# KiCad board enclosurefinal01.kicad_pcb
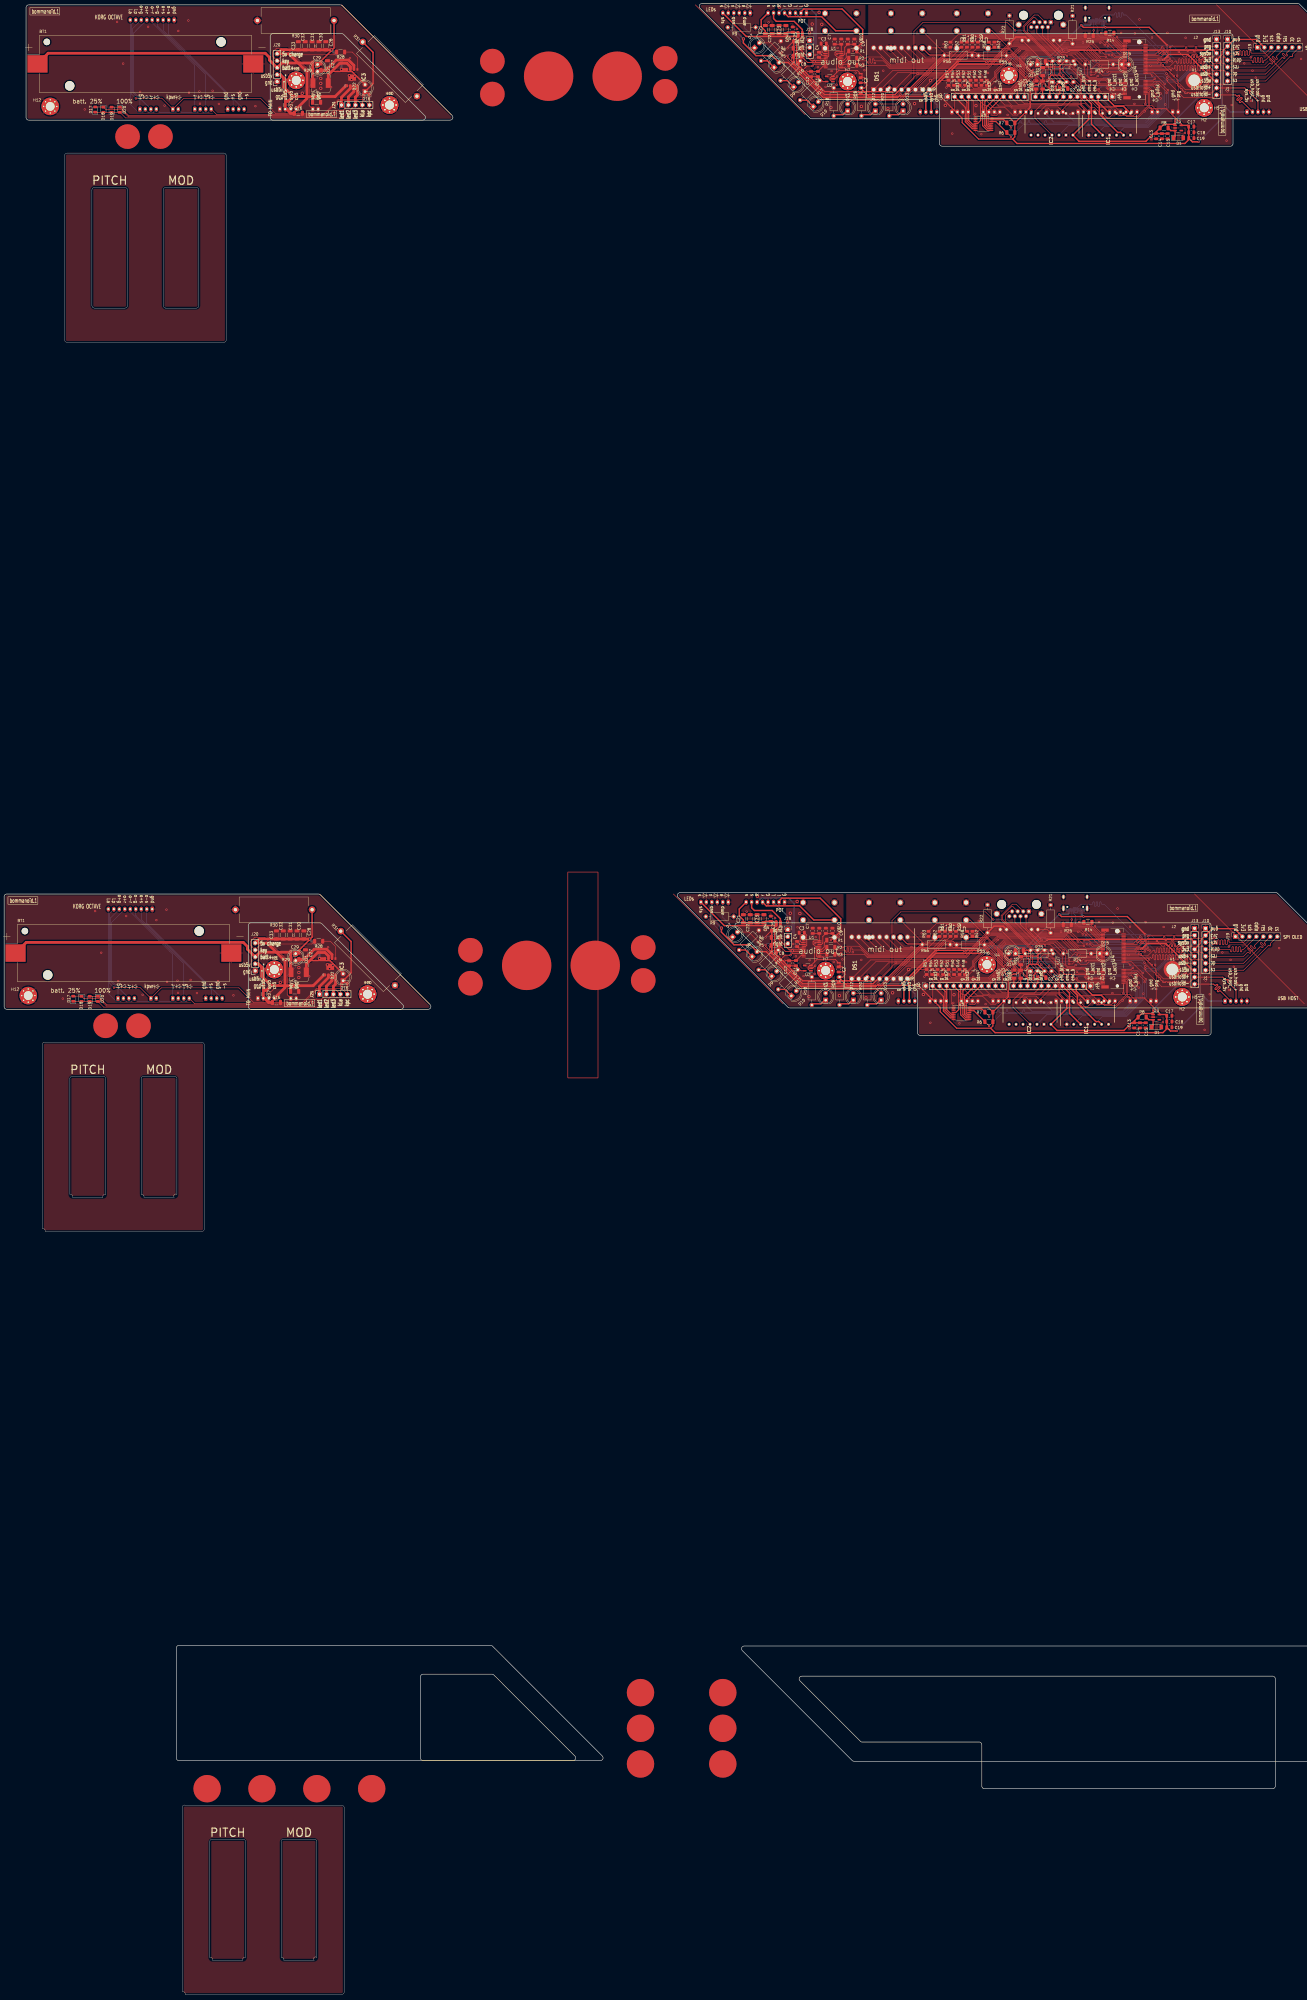
[diagram p0: board, top side]
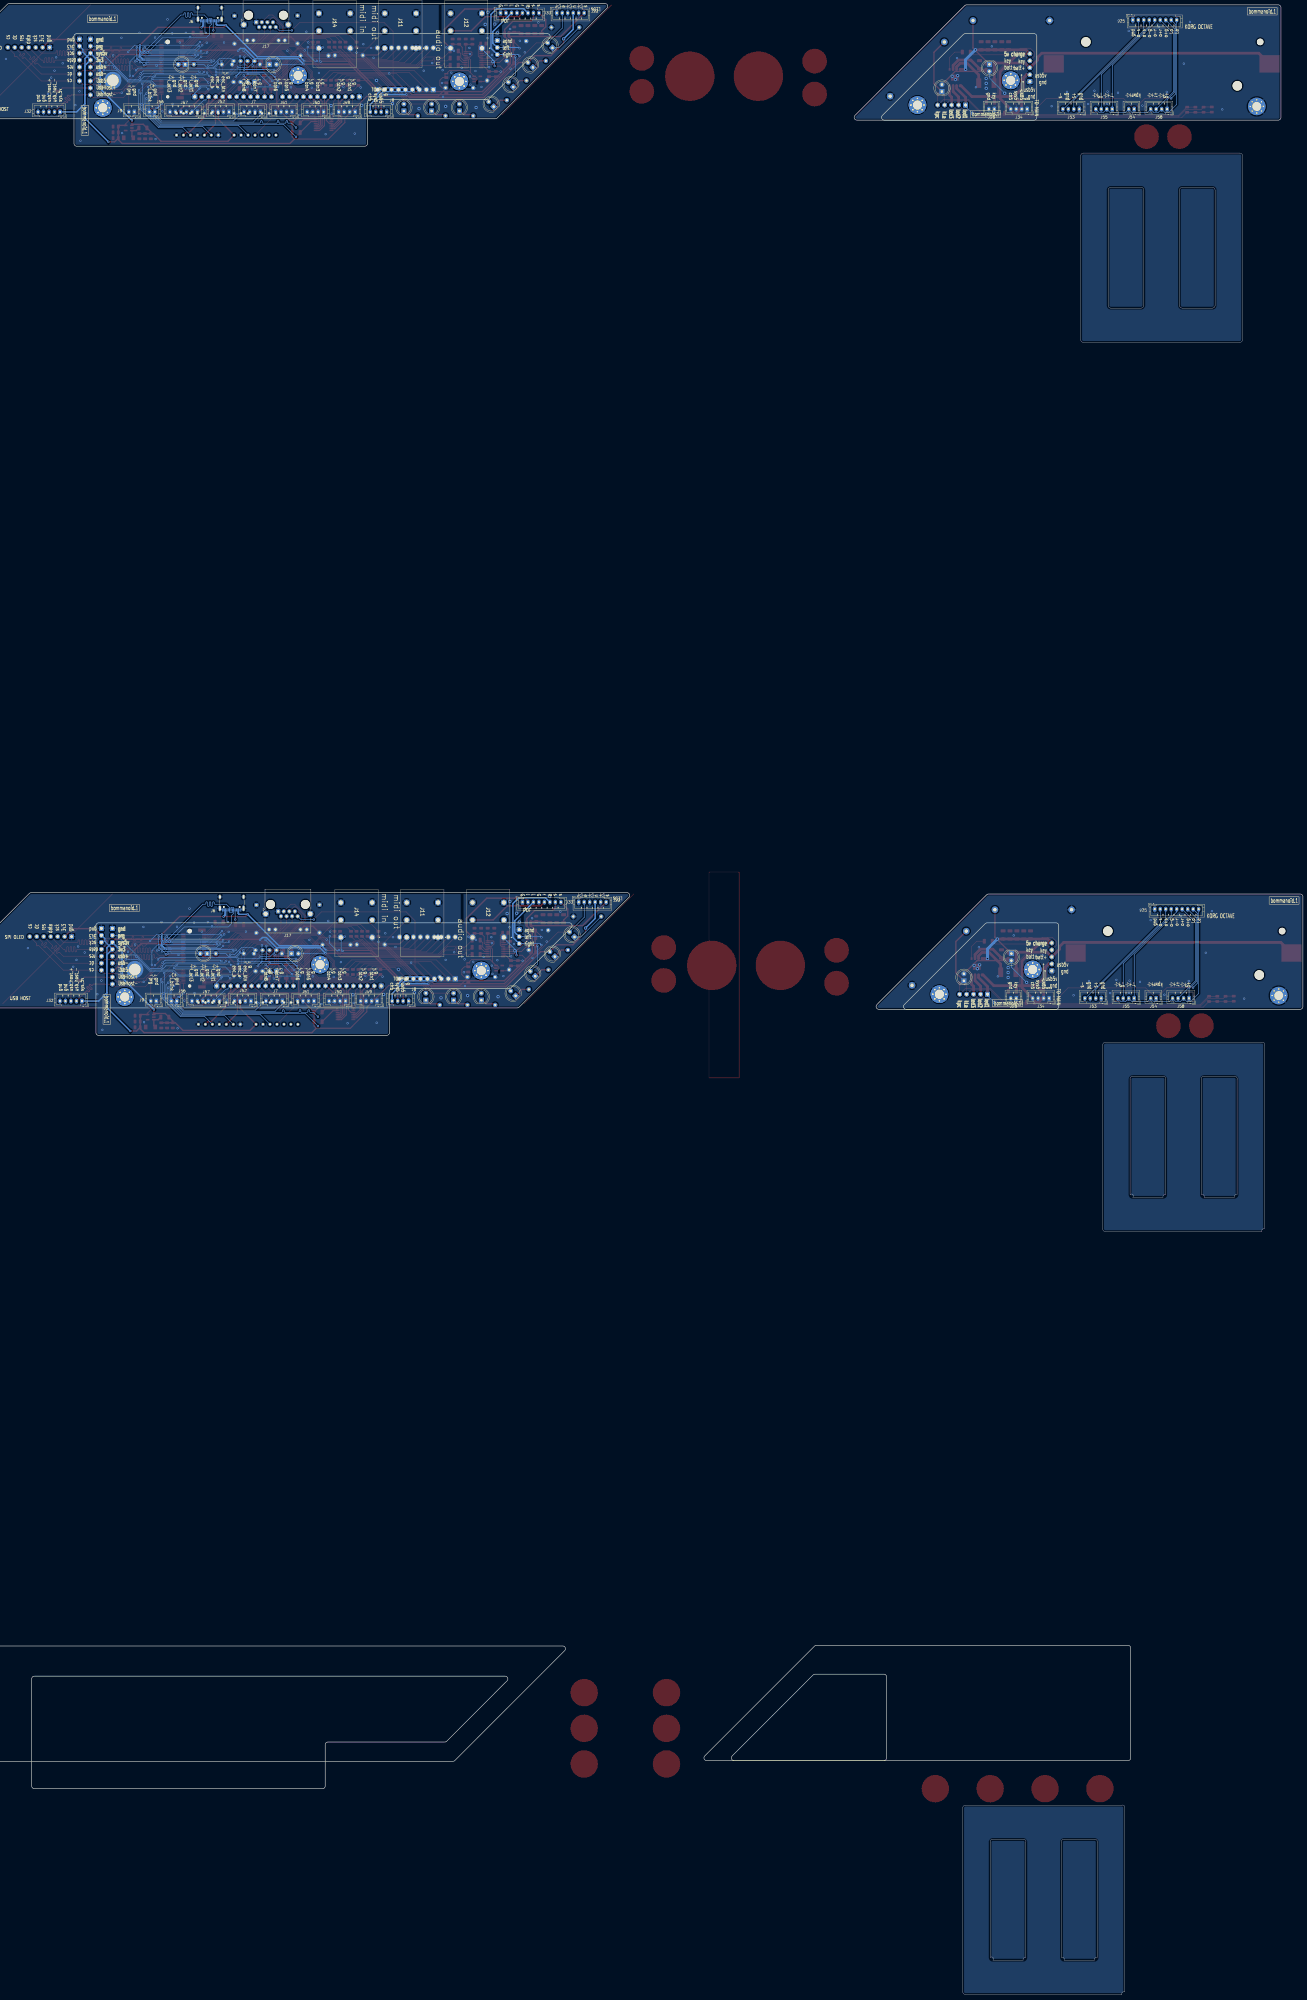
[diagram p1: board, bottom side, seen from below]

Outline 528 x 725.5 mm; copper layers: Top, Bottom. Coordinates in mm from the lower left corner of the outline.
Outline path: 246.41,401.5 245.49,400.88 245.71,399.79 285.71,359.79 286.03,359.58 286.41,359.5 503.59,359.5 504.51,360.12 504.29,361.21 464.29,401.21 463.97,401.42 463.59,401.5 closed ; 254.41,725.5 253.49,724.88 253.71,723.79 293.71,683.79 294.03,683.58 294.41,683.5 511.59,683.5 512.51,684.12 512.29,685.21 472.29,725.21 471.97,725.42 471.59,725.5 closed ; 269.83,127 268.91,126.38 269.12,125.29 309.12,85.29 309.45,85.08 309.83,85 527,85 527.93,85.62 527.71,86.71 487.71,126.71 487.39,126.92 487,127 closed ; 89,360 89.29,359.29 90,359 144.59,359 145.51,359.62 145.29,360.71 115.79,390.21 115.47,390.42 115.09,390.5 90,390.5 89.29,390.21 89,389.5 closed ; 97,684 97.29,683.29 98,683 152.59,683 153.51,683.62 153.29,684.71 123.79,714.21 123.47,714.42 123.09,714.5 98,714.5 97.29,714.21 97,713.5 closed ; 115.29,400.71 114.97,400.92 114.59,401 1,401 0.29,400.71 0,400 0,360 0.29,359.29 1,359 154.59,359 155.51,359.62 155.29,360.71 closed ; 123.29,724.71 122.97,724.92 122.59,725 9,725 8.29,724.71 8,724 8,684 8.29,683.29 9,683 162.59,683 163.51,683.62 163.29,684.71 closed ; 151.76,86.23 152.05,85.52 152.76,85.23 207.35,85.23 208.27,85.84 208.05,86.93 178.55,116.43 178.23,116.65 177.85,116.73 152.76,116.73 152.05,116.43 151.76,115.73 closed ; 178.05,126.93 177.73,127.15 177.35,127.23 63.76,127.23 63.05,126.93 62.76,126.23 62.76,86.23 63.05,85.52 63.76,85.23 217.35,85.23 218.27,85.84 218.05,86.93 closed ; 289.41,366.5 289.03,366.58 288.71,366.79 266.71,388.79 266.49,389.88 267.41,390.5 439,390.5 439.71,390.21 440,389.5 440,350.5 439.71,349.79 439,349.5 334,349.5 333.29,349.79 333,350.5 333,365.5 332.71,366.21 332,366.5 closed ; 297.41,690.5 297.03,690.58 296.71,690.79 274.71,712.79 274.49,713.88 275.41,714.5 447,714.5 447.71,714.21 448,713.5 448,674.5 447.71,673.79 447,673.5 342,673.5 341.29,673.79 341,674.5 341,689.5 340.71,690.21 340,690.5 closed ; 312.83,92 312.45,92.08 312.12,92.29 290.12,114.29 289.91,115.38 290.83,116 462.42,116 463.12,115.71 463.42,115 463.42,76 463.12,75.29 462.42,75 357.42,75 356.71,75.29 356.42,76 356.42,91 356.12,91.71 355.42,92 closed ; 14,346 arc(14.19,346.81) 15,347 72,347 arc(72.71,346.71) 73,346 73,279 arc(72.71,278.29) 72,278 15,278 arc(14.8,278.8) 14,279 14,346 ; 22,670 arc(22.29,670.71) 23,671 80,671 arc(80.71,670.71) 81,670 81,603 arc(80.71,602.29) 80,602 23,602 arc(22.29,602.29) 22,603 22,670 ; 24,333.5 arc(24.19,334.31) 25,334.5 36,334.5 arc(36.81,334.31) 37,333.5 37,291.5 arc(36.18,291.32) 36,290.5 25,290.5 arc(24.8,291.3) 24,291.5 24,333.5 ; 32,657.5 arc(32.29,658.21) 33,658.5 44,658.5 arc(44.71,658.21) 45,657.5 45,615.5 arc(44.71,614.79) 44,614.5 33,614.5 arc(32.29,614.79) 32,615.5 32,657.5 ; 50,333.5 arc(50.19,334.31) 51,334.5 62,334.5 arc(62.78,334.28) 63,333.5 63,291.5 arc(62.01,291.49) 62,290.5 51,290.5 arc(50.79,291.29) 50,291.5 50,333.5 ; 58,657.5 arc(58.29,658.21) 59,658.5 70,658.5 arc(70.71,658.21) 71,657.5 71,615.5 arc(70.71,614.79) 70,614.5 59,614.5 arc(58.29,614.79) 58,615.5 58,657.5 ; 65,68 arc(65.19,68.81) 66,69 123,69 arc(123.71,68.71) 124,68 124,1 arc(123.71,0.29) 123,0 66,0 arc(65.8,0.8) 65,1 65,68 ; 75,55.5 arc(75.19,56.31) 76,56.5 87,56.5 arc(87.81,56.31) 88,55.5 88,13.5 arc(87.18,13.32) 87,12.5 76,12.5 arc(75.8,13.3) 75,13.5 75,55.5 ; 101,55.5 arc(101.19,56.31) 102,56.5 113,56.5 arc(113.78,56.28) 114,55.5 114,13.5 arc(113.01,13.49) 113,12.5 102,12.5 arc(101.79,13.29) 101,13.5 101,55.5
Stack: Top 0.035mm / dielectric 1.51mm FR4 er 4.5 / Bottom 0.035mm

## Placement (name value [footprint] x y rotation side)
BT1  Battery_Cell  [BatteryHolder_Keystone_1042_1x18650]  51.5 703.5 0 top
BT1#2  Battery_Cell  [BatteryHolder_Keystone_1042_1x18650]  43.5 379.5 0 top
C1  10uF  [C_0805_2012Metric]  312.26 693.75 270 top
C1#2  10uF  [C_0805_2012Metric]  304.26 369.75 270 top
C2  0.1uF  [C_0805_2012Metric]  304.26 373.55 270 top
C2#2  0.1uF  [C_0805_2012Metric]  312.26 697.55 270 top
C3  2.2uF  [C_0805_2012Metric]  298.78 710.9 0 top
C3#2  2.2uF  [C_0805_2012Metric]  290.78 386.9 0 top
C4  2.2uF  [C_0805_2012Metric]  297.08 706.8 90 top
C4#2  2.2uF  [C_0805_2012Metric]  289.08 382.8 90 top
C5  2.2uF  [C_0805_2012Metric]  288.68 711.7 0 top
C5#2  2.2uF  [C_0805_2012Metric]  280.68 387.7 0 top
C6  10uF  [C_0805_2012Metric]  307.58 711.6 90 top
C6#2  10uF  [C_0805_2012Metric]  299.58 387.6 90 top
C7  10uF  [C_0805_2012Metric]  294.78 387.6 270 top
C7#2  10uF  [C_0805_2012Metric]  302.78 711.6 270 top
C8  2.2uF  [C_0805_2012Metric]  280.63 379.8 0 top
C8#2  2.2uF  [C_0805_2012Metric]  288.63 703.8 0 top
C9  0.1uF  [C_0805_2012Metric]  301.98 387.6 90 top
C9#2  0.1uF  [C_0805_2012Metric]  309.98 711.6 90 top
C10  0.1uF  [C_0805_2012Metric]  305.18 711.6 270 top
C10#2  0.1uF  [C_0805_2012Metric]  297.18 387.6 270 top
C11  10uF  [C_0805_2012Metric]  296.68 699.8 90 top
C11#2  10uF  [C_0805_2012Metric]  288.68 375.8 90 top
C12  0.1uF  [C_0805_2012Metric]  286.18 375.8 90 top
C12#2  0.1uF  [C_0805_2012Metric]  294.18 699.8 90 top
C13  10uF  [C_0805_2012Metric]  411.98 353.15 270 top
C13#2  10uF  [C_0805_2012Metric]  419.98 677.15 270 top
C14  0.22uF  [C_0805_2012Metric]  422.08 677.15 270 top
C14#2  0.22uF  [C_0805_2012Metric]  414.08 353.15 270 top
C15  0.1uF  [C_0805_2012Metric]  424.18 677.15 270 top
C15#2  0.1uF  [C_0805_2012Metric]  416.18 353.15 270 top
C16  10uF  [C_1206_3216Metric]  107.28 685.5 0 top
C16#2  10uF  [C_1206_3216Metric]  99.28 361.5 0 top
C17  1uF  [C_0805_2012Metric]  424.79 356.65 0 top
C17#2  1uF  [C_0805_2012Metric]  432.79 680.65 0 top
C18  0.22uF  [C_0805_2012Metric]  432.79 678.55 0 top
C18#2  0.22uF  [C_0805_2012Metric]  424.79 354.55 0 top
C19  0.1uF  [C_0805_2012Metric]  424.79 352.45 0 top
C19#2  0.1uF  [C_0805_2012Metric]  432.79 676.45 0 top
C20  0.1uF  [C_1206_3216Metric]  370.1 380.4 180 top
C20#2  0.1uF  [C_1206_3216Metric]  378.1 704.4 180 top
C21  22uF  [C_1206_3216Metric]  277.5 716 90 top
C21#2  22uF  [C_1206_3216Metric]  269.5 392 90 top
C22  22uF  [C_1206_3216Metric]  272 392 90 top
C22#2  22uF  [C_1206_3216Metric]  280 716 90 top
C23  22uF  [C_1206_3216Metric]  274.5 392 90 top
C23#2  22uF  [C_1206_3216Metric]  282.5 716 90 top
C24  22uF  [C_1206_3216Metric]  277 392 90 top
C24#2  22uF  [C_1206_3216Metric]  285 716 90 top
C25  0.1uF  [C_0805_2012Metric]  279.5 392 90 top
C25#2  0.1uF  [C_0805_2012Metric]  287.5 716 90 top
C26  10uF  [C_1206_3216Metric]  113.9 689.5 0 top
C26#2  10uF  [C_1206_3216Metric]  105.9 365.5 0 top
C27  22uF  [C_1206_3216Metric]  117.88 703.2 90 top
C27#2  22uF  [C_1206_3216Metric]  109.88 379.2 90 top
C28  22uF  [C_1206_3216Metric]  117.28 710.1 90 top
C28#2  22uF  [C_1206_3216Metric]  109.28 386.1 90 top
C29  22uF  [C_1206_3216Metric]  113.98 703.8 0 top
C29#2  22uF  [C_1206_3216Metric]  105.98 379.8 0 top
C30  22uF  [C_1206_3216Metric]  106.78 386.1 90 top
C30#2  22uF  [C_1206_3216Metric]  114.78 710.1 90 top
C31  22uF  [C_1206_3216Metric]  104.28 386.1 90 top
C31#2  22uF  [C_1206_3216Metric]  112.28 710.1 90 top
C32  22uF  [C_1206_3216Metric]  101.78 386.1 90 top
C32#2  22uF  [C_1206_3216Metric]  109.78 710.1 90 top
C33  0.1uF  [C_1206_3216Metric]  99.28 386.1 90 top
C33#2  0.1uF  [C_1206_3216Metric]  107.28 710.1 90 top
D1  3.3v  [D_MiniMELF]  428.11 676.55 0 top
D1#2  3.3v  [D_MiniMELF]  420.11 352.55 0 top
D2  1N4148WS  [D_SOD-323]  382.3 694.5 180 top
D2#2  1N4148WS  [D_SOD-323]  374.3 370.5 180 top
D7  LED  [LED_D5.0mm_withbottomtext]  273.56 709.35 45 top
D7#2  LED  [LED_D5.0mm_withbottomtext]  265.56 385.35 45 top
D8  LED  [LED_D5.0mm_withbottomtext]  272.7 378.2 45 top
D8#2  LED  [LED_D5.0mm_withbottomtext]  280.7 702.2 45 top
D9  LED  [LED_D5.0mm_withbottomtext]  287.85 695.06 45 top
D9#2  LED  [LED_D5.0mm_withbottomtext]  279.85 371.06 45 top
D10  LED  [LED_D5.0mm_withbottomtext]  295 687.91 45 top
D10#2  LED  [LED_D5.0mm_withbottomtext]  287 363.91 45 top
D11  LED  [LED_D5.0mm_withbottomtext]  299.5 362.34 90 top
D11#2  LED  [LED_D5.0mm_withbottomtext]  307.5 686.34 90 top
D12  LED  [LED_D5.0mm_withbottomtext]  309.61 362.34 90 top
D12#2  LED  [LED_D5.0mm_withbottomtext]  317.61 686.34 90 top
D13  LED  [LED_D5.0mm_withbottomtext]  327.72 686.34 90 top
D13#2  LED  [LED_D5.0mm_withbottomtext]  319.72 362.34 90 top
D14  LED  [LED_D5.0mm_withbottomtext]  376.72 703.3 180 top
D14#2  LED  [LED_D5.0mm_withbottomtext]  368.72 379.3 180 top
D15  LED  [LED_D5.0mm_withbottomtext]  399.45 379.3 0 top
D15#2  LED  [LED_D5.0mm_withbottomtext]  407.45 703.3 0 top
D16  korgpwr  [LED_0805_2012Metric]  132.08 692.4 180 top
D16#2  korgpwr  [LED_0805_2012Metric]  124.08 368.4 180 top
D17  25%  [LED_0805_2012Metric]  25.2 362.86 90 top
D17#2  25%  [LED_0805_2012Metric]  33.2 686.86 90 top
D18  50%  [LED_0805_2012Metric]  28.2 362.8 270 top
D18#2  50%  [LED_0805_2012Metric]  36.2 686.8 270 top
D19  75%  [LED_0805_2012Metric]  31.2 362.8 90 top
D19#2  75%  [LED_0805_2012Metric]  39.2 686.8 90 top
D20  100%  [LED_0805_2012Metric]  34.2 362.8 270 top
D20#2  100%  [LED_0805_2012Metric]  42.2 686.8 270 top
D21  LED  [LED_D5.0mm_withbottomtext]  114.28 703.3 270 top
D21#2  LED  [LED_D5.0mm_withbottomtext]  106.28 379.3 270 top
D22  LED  [LED_D5.0mm_withbottomtext]  123.58 369.4 90 top
D22#2  LED  [LED_D5.0mm_withbottomtext]  131.58 693.4 90 top
DS1  PDC54-11GWA  [DIPS1524W75P254L2520H805Q18N]  309 370.1 90 top
DS1#2  PDC54-11GWA  [DIPS1524W75P254L2520H805Q18N]  317 694.1 90 top
H1  M.2 riser 2.5mm  [Sinhoo SMTSO2530CTJ]  425.84 373.5 0 top
H1#2  M.2 riser 2.5mm  [Sinhoo SMTSO2530CTJ]  433.84 697.5 0 top
H2  MountingHole_Pad  [MountingHole_3.2mm_M3_Pad_Via]  429.5 363.5 0 top
H2#2  MountingHole_Pad  [MountingHole_3.2mm_M3_Pad_Via]  437.5 687.5 0 top
H3  MountingHole_Pad  [MountingHole_3.2mm_M3_Pad_Via]  299.5 373.1 0 top
H3#2  MountingHole_Pad  [MountingHole_3.2mm_M3_Pad_Via]  307.5 697.1 0 top
H4  MountingHole_Pad  [MountingHole_3.2mm_M3_Pad_Via]  366.3 699.3 0 top
H4#2  MountingHole_Pad  [MountingHole_3.2mm_M3_Pad_Via]  358.3 375.3 0 top
H5  MountingHole_Pad  [MountingHole_3.2mm_M3_Pad_Via]  429.5 363.5 0 top
H5#2  MountingHole_Pad  [MountingHole_3.2mm_M3_Pad_Via]  437.5 687.5 0 top
H6  MountingHole_Pad  [MountingHole_3.2mm_M3_Pad_Via]  366.3 699.3 0 top
H6#2  MountingHole_Pad  [MountingHole_3.2mm_M3_Pad_Via]  358.3 375.3 0 top
H7  MountingHole_Pad  [MountingHole_3.2mm_M3_Pad_Via]  307.5 697.1 0 top
H7#2  MountingHole_Pad  [MountingHole_3.2mm_M3_Pad_Via]  299.5 373.1 0 top
H8  MountingHole_Pad  [MountingHole_3.2mm_M3_Pad_Via]  106.5 697.5 0 top
H8#2  MountingHole_Pad  [MountingHole_3.2mm_M3_Pad_Via]  98.5 373.5 0 top
H9  MountingHole_Pad  [MountingHole_3.2mm_M3_Pad_Via]  132.5 364.5 0 top
H9#2  MountingHole_Pad  [MountingHole_3.2mm_M3_Pad_Via]  140.5 688.5 0 top
H10  MountingHole_Pad  [MountingHole_3.2mm_M3_Pad_Via]  140.5 688.5 0 top
H10#2  MountingHole_Pad  [MountingHole_3.2mm_M3_Pad_Via]  132.5 364.5 0 top
H11  MountingHole_Pad  [MountingHole_3.2mm_M3_Pad_Via]  98.5 373.5 0 top
H11#2  MountingHole_Pad  [MountingHole_3.2mm_M3_Pad_Via]  106.5 697.5 0 top
H12  MountingHole_Pad  [MountingHole_3.2mm_M3_Pad_Via]  8.8 364 0 top
H12#2  MountingHole_Pad  [MountingHole_3.2mm_M3_Pad_Via]  16.8 688 0 top
IC1  SN74AHCT125N  [DIP794W53P254L1930H508Q14N]  403 681.5 90 top
IC1#2  SN74AHCT125N  [DIP794W53P254L1930H508Q14N]  395 357.5 90 top
IC2  SN74AHCT125N  [DIP794W53P254L1930H508Q14N]  374 357.5 270 top
IC2#2  SN74AHCT125N  [DIP794W53P254L1930H508Q14N]  382 681.5 270 top
IC3  Injoinic IP5306 battery charge  [SOIC127P599X155-9N (IP5306)]  118.88 374.5 90 top
IC3#2  Injoinic IP5306 battery charge  [SOIC127P599X155-9N (IP5306)]  126.88 698.5 90 top
J1  Conn_01x07  [PinHeader_1x07_P2.54mm_Vertical]  446 712.5 0 top
J1#2  Conn_01x07  [PinHeader_1x07_P2.54mm_Vertical]  438 388.5 0 top
J2  Conn_01x09  [PinHeader_1x09_P2.54mm_Vertical]  434 388.5 0 top
J2#2  Conn_01x09  [PinHeader_1x09_P2.54mm_Vertical]  442 712.5 0 top
J3  Conn_01x12  [PinHeader_1x12_P2.54mm_Vertical]  395.94 367.5 270 top
J3#2  Conn_01x12  [PinHeader_1x12_P2.54mm_Vertical]  403.94 691.5 270 top
J4  Conn_01x12  [PinHeader_1x12_P2.54mm_Vertical]  336.03 367.5 90 top
J4#2  Conn_01x12  [PinHeader_1x12_P2.54mm_Vertical]  344.03 691.5 90 top
J5  Conn_01x03  [PinHeader_1x03_P2.54mm_Vertical]  293.7 712 0 top
J5#2  Conn_01x03  [PinHeader_1x03_P2.54mm_Vertical]  285.7 388 0 top
J6  XKB_U262-16XN-4BVC11 USB-C recept  [USB_C_Receptacle_XKB_U262-16XN-4BVC11]  390.5 398.9 0 bottom
J6#2  XKB_U262-16XN-4BVC11 USB-C recept  [USB_C_Receptacle_XKB_U262-16XN-4BVC11]  398.5 722.9 0 bottom
J7  Conn_01x04  [JST_PH_B4B-PH-K_1x04_P2.00mm_Vertical]  380 686 0 bottom
J7#2  Conn_01x04  [JST_PH_B4B-PH-K_1x04_P2.00mm_Vertical]  372 362 0 bottom
J8  Conn_01x04  [JST_PH_B4B-PH-K_1x04_P2.00mm_Vertical]  326 362 0 bottom
J8#2  Conn_01x04  [JST_PH_B4B-PH-K_1x04_P2.00mm_Vertical]  334 686 0 bottom
J9  Conn_01x02  [JST_PH_B2B-PH-K_1x02_P2.00mm_Vertical]  418 362 0 bottom
J9#2  Conn_01x02  [JST_PH_B2B-PH-K_1x02_P2.00mm_Vertical]  426 686 0 bottom
J10  Conn_01x07  [PinSocket_1x07_P2.54mm_Vertical]  446 712.5 0 top
J10#2  Conn_01x07  [PinSocket_1x07_P2.54mm_Vertical]  438 388.5 0 top
J11  Amphenol ACJS-MHOM  [ACJSMHOM]  315.29 385.2 90 bottom
J11#2  Amphenol ACJS-MHOM  [ACJSMHOM]  323.29 709.2 90 bottom
J12  Amphenol ACJS-MHOM  [ACJSMHOM]  299.29 709.2 90 bottom
J12#2  Amphenol ACJS-MHOM  [ACJSMHOM]  291.29 385.2 90 bottom
J13  Conn_01x09  [PinSocket_1x09_P2.54mm_Vertical]  442 712.5 0 top
J13#2  Conn_01x09  [PinSocket_1x09_P2.54mm_Vertical]  434 388.5 0 top
J14  Amphenol ACJS-MHOM  [ACJSMHOM]  339.29 385.2 90 bottom
J14#2  Amphenol ACJS-MHOM  [ACJSMHOM]  347.29 709.2 90 bottom
J15  Conn_01x12  [PinSocket_1x12_P2.54mm_Vertical]  403.94 691.5 270 top
J15#2  Conn_01x12  [PinSocket_1x12_P2.54mm_Vertical]  395.94 367.5 270 top
J16  Conn_01x12  [PinSocket_1x12_P2.54mm_Vertical]  344 691.5 90 top
J16#2  Conn_01x12  [PinSocket_1x12_P2.54mm_Vertical]  336 367.5 90 top
J17  RJ45_LED_Shielded  [RJ45_Amphenol_RJHSE538X]  381.56 718.68 180 bottom
J17#2  RJ45_LED_Shielded  [RJ45_Amphenol_RJHSE538X]  373.56 394.68 180 bottom
J18  Conn_01x03  [PinSocket_1x03_P2.54mm_Vertical]  293.7 712 0 top
J18#2  Conn_01x03  [PinSocket_1x03_P2.54mm_Vertical]  285.7 388 0 top
J19  Conn_01x07  [PinSocket_1x07_P2.54mm_Vertical]  456.88 709.5 90 top
J19#2  Conn_01x07  [PinSocket_1x07_P2.54mm_Vertical]  448.88 385.5 90 top
J20  Conn_01x05  [PinSocket_1x05_P2.54mm_Vertical]  99.53 697 180 top
J20#2  Conn_01x05  [PinSocket_1x05_P2.54mm_Vertical]  91.53 373 180 top
J21  Conn_01x05  [PinSocket_1x05_P2.54mm_Vertical]  122.96 688.5 90 top
J21#2  Conn_01x05  [PinSocket_1x05_P2.54mm_Vertical]  114.96 364.5 90 top
J22  Conn_01x06  [JST_PH_B6B-PH-K_1x06_P2.00mm_Vertical]  272 722.05 180 bottom
J22#2  Conn_01x06  [JST_PH_B6B-PH-K_1x06_P2.00mm_Vertical]  264 398.05 180 bottom
J23  Conn_01x05  [PinSocket_1x05_P2.54mm_Vertical]  99.53 697 180 top
J23#2  Conn_01x05  [PinSocket_1x05_P2.54mm_Vertical]  91.53 373 180 top
J24  Conn_01x05  [PinSocket_1x05_P2.54mm_Vertical]  114.96 364.5 90 top
J24#2  Conn_01x05  [PinSocket_1x05_P2.54mm_Vertical]  122.96 688.5 90 top
J25  Conn_01x09  [JST_PH_B9B-PH-K_1x09_P2.00mm_Vertical]  54 395.5 180 bottom
J25#2  Conn_01x09  [JST_PH_B9B-PH-K_1x09_P2.00mm_Vertical]  62 719.5 180 bottom
J26  Conn_01x02  [JST_PH_B2B-PH-K_1x02_P2.00mm_Vertical]  112.5 687 0 bottom
J26#2  Conn_01x02  [JST_PH_B2B-PH-K_1x02_P2.00mm_Vertical]  104.5 363 0 bottom
J32  USB_A  [JST_PH_B5B-PH-K_1x05_P2.00mm_Vertical]  453.1 686 0 bottom
J32#2  USB_A  [JST_PH_B5B-PH-K_1x05_P2.00mm_Vertical]  445.1 362 0 bottom
J33  Conn_01x08  [JST_PH_B8B-PH-K_1x08_P2.00mm_Vertical]  284.5 398.05 180 bottom
J33#2  Conn_01x08  [JST_PH_B8B-PH-K_1x08_P2.00mm_Vertical]  292.5 722.05 180 bottom
J34  Conn_01x04  [JST_PH_B4B-PH-K_1x04_P2.00mm_Vertical]  100.5 687 0 bottom
J34#2  Conn_01x04  [JST_PH_B4B-PH-K_1x04_P2.00mm_Vertical]  92.5 363 0 bottom
J49  Conn_01x04  [JST_PH_B4B-PH-K_1x04_P2.00mm_Vertical]  337.5 362 0 bottom
J49#2  Conn_01x04  [JST_PH_B4B-PH-K_1x04_P2.00mm_Vertical]  345.5 686 0 bottom
J50  Conn_01x04  [JST_PH_B4B-PH-K_1x04_P2.00mm_Vertical]  357 686 0 bottom
J50#2  Conn_01x04  [JST_PH_B4B-PH-K_1x04_P2.00mm_Vertical]  349 362 0 bottom
J51  Conn_01x04  [JST_PH_B4B-PH-K_1x04_P2.00mm_Vertical]  368.5 686 0 bottom
J51#2  Conn_01x04  [JST_PH_B4B-PH-K_1x04_P2.00mm_Vertical]  360.5 362 0 bottom
J52  Conn_01x04  [JST_PH_B4B-PH-K_1x04_P2.00mm_Vertical]  391.5 686 0 bottom
J52#2  Conn_01x04  [JST_PH_B4B-PH-K_1x04_P2.00mm_Vertical]  383.5 362 0 bottom
J53  Conn_01x04  [JST_PH_B4B-PH-K_1x04_P2.00mm_Vertical]  81.5 687 0 bottom
J53#2  Conn_01x04  [JST_PH_B4B-PH-K_1x04_P2.00mm_Vertical]  73.5 363 0 bottom
J54  Conn_01x02  [JST_PH_B2B-PH-K_1x02_P2.00mm_Vertical]  61.5 687 0 bottom
J54#2  Conn_01x02  [JST_PH_B2B-PH-K_1x02_P2.00mm_Vertical]  53.5 363 0 bottom
J55  Conn_01x04  [JST_PH_B4B-PH-K_1x04_P2.00mm_Vertical]  61.5 363 0 bottom
J55#2  Conn_01x04  [JST_PH_B4B-PH-K_1x04_P2.00mm_Vertical]  69.5 687 0 bottom
J56  Conn_01x02  [JST_PH_B2B-PH-K_1x02_P2.00mm_Vertical]  418.5 686 0 bottom
J56#2  Conn_01x02  [JST_PH_B2B-PH-K_1x02_P2.00mm_Vertical]  410.5 362 0 bottom
J57  Conn_01x06  [JST_PH_B6B-PH-K_1x06_P2.00mm_Vertical]  395 362 0 bottom
J57#2  Conn_01x06  [JST_PH_B6B-PH-K_1x06_P2.00mm_Vertical]  403 686 0 bottom
J58  Conn_01x04  [JST_PH_B4B-PH-K_1x04_P2.00mm_Vertical]  41.5 363 0 bottom
J58#2  Conn_01x04  [JST_PH_B4B-PH-K_1x04_P2.00mm_Vertical]  49.5 687 0 bottom
L1  1uH-psa  [Inductor_MCS0630-1R0MN2]  107.38 375.9 180 top
L1#2  1uH-psa  [Inductor_MCS0630-1R0MN2]  115.38 699.9 180 top
NT1  NetTie_2  [NetTie-2_SMD_Pad0.5mm]  312.26 699.93 180 top
NT1#2  NetTie_2  [NetTie-2_SMD_Pad0.5mm]  304.26 375.93 180 top
NT4  NetTie_2  [NetTie-2_SMD_Pad1.0mm]  283 390.65 270 top
NT4#2  NetTie_2  [NetTie-2_SMD_Pad1.0mm]  291 714.65 270 top
NT5  NetTie_2  [NetTie-2_SMD_Pad1.0mm]  289.5 714.65 270 top
NT5#2  NetTie_2  [NetTie-2_SMD_Pad1.0mm]  281.5 390.65 270 top
R1  22R  [R_1206_3216Metric]  309.38 708.2 180 top
R1#2  22R  [R_1206_3216Metric]  301.38 384.2 180 top
R2  22R  [R_1206_3216Metric]  309.38 705.6 180 top
R2#2  22R  [R_1206_3216Metric]  301.38 381.6 180 top
R3  22R  [R_1206_3216Metric]  309.38 703 180 top
R3#2  22R  [R_1206_3216Metric]  301.38 379 180 top
R4  470R  [R_1206_3216Metric]  281.13 385.2 180 top
R4#2  470R  [R_1206_3216Metric]  289.13 709.2 180 top
R5  470R  [R_1206_3216Metric]  281.13 382.3 180 top
R5#2  470R  [R_1206_3216Metric]  289.13 706.3 180 top
R6  4.7k  [R_1206_3216Metric]  359 354.5 0 top
R6#2  4.7k  [R_1206_3216Metric]  367 678.5 0 top
R7  4.7k  [R_1206_3216Metric]  359 358 0 top
R7#2  4.7k  [R_1206_3216Metric]  367 682 0 top
R8  100k  [R_1206_3216Metric]  414.88 356.15 180 top
R8#2  100k  [R_1206_3216Metric]  422.88 680.15 180 top
R9  R  [R_Axial_DIN0207_L6.3mm_D2.5mm_P10.16mm_Horizontal]  255.8 392.8 0 top
R9#2  R  [R_Axial_DIN0207_L6.3mm_D2.5mm_P10.16mm_Horizontal]  263.8 716.8 0 top
R10  220R  [R_1206_3216Metric]  378.3 370.5 0 top
R10#2  220R  [R_1206_3216Metric]  386.3 694.5 0 top
R11  470R  [R_1206_3216Metric]  378.6 700.7 90 top
R11#2  470R  [R_1206_3216Metric]  370.6 376.7 90 top
R12  47R  [R_1206_3216Metric]  370.6 371.8 90 top
R12#2  47R  [R_1206_3216Metric]  378.6 695.8 90 top
R13  47R  [R_1206_3216Metric]  368.1 371.8 90 top
R13#2  47R  [R_1206_3216Metric]  376.1 695.8 90 top
R14  5.1k  [R_1206_3216Metric]  403.1 714.7 180 top
R14#2  5.1k  [R_1206_3216Metric]  395.1 390.7 180 top
R15  R  [R_Axial_DIN0207_L6.3mm_D2.5mm_P10.16mm_Horizontal]  267.96 380.61 45 top
R15#2  R  [R_Axial_DIN0207_L6.3mm_D2.5mm_P10.16mm_Horizontal]  275.96 704.61 45 top
R16  R  [R_Axial_DIN0207_L6.3mm_D2.5mm_P10.16mm_Horizontal]  283.05 697.4 45 top
R16#2  R  [R_Axial_DIN0207_L6.3mm_D2.5mm_P10.16mm_Horizontal]  275.05 373.4 45 top
R17  R  [R_Axial_DIN0207_L6.3mm_D2.5mm_P10.16mm_Horizontal]  282.2 366.25 45 top
R17#2  R  [R_Axial_DIN0207_L6.3mm_D2.5mm_P10.16mm_Horizontal]  290.2 690.25 45 top
R18  R  [R_Axial_DIN0207_L6.3mm_D2.5mm_P10.16mm_Horizontal]  294.45 360.6 90 top
R18#2  R  [R_Axial_DIN0207_L6.3mm_D2.5mm_P10.16mm_Horizontal]  302.45 684.6 90 top
R19  R  [R_Axial_DIN0207_L6.3mm_D2.5mm_P10.16mm_Horizontal]  312.55 684.6 90 top
R19#2  R  [R_Axial_DIN0207_L6.3mm_D2.5mm_P10.16mm_Horizontal]  304.55 360.6 90 top
R20  R  [R_Axial_DIN0207_L6.3mm_D2.5mm_P10.16mm_Horizontal]  322.66 684.6 90 top
R20#2  R  [R_Axial_DIN0207_L6.3mm_D2.5mm_P10.16mm_Horizontal]  314.66 360.6 90 top
R21  R  [R_Axial_DIN0207_L6.3mm_D2.5mm_P10.16mm_Horizontal]  381.5 397 270 top
R21#2  R  [R_Axial_DIN0207_L6.3mm_D2.5mm_P10.16mm_Horizontal]  389.5 721 270 top
R22  R  [R_Axial_DIN0207_L6.3mm_D2.5mm_P10.16mm_Horizontal]  366.5 721.08 270 top
R22#2  R  [R_Axial_DIN0207_L6.3mm_D2.5mm_P10.16mm_Horizontal]  358.5 397.08 270 top
R23  R  [R_Axial_DIN0207_L6.3mm_D2.5mm_P10.16mm_Horizontal]  380.22 703.3 0 top
R23#2  R  [R_Axial_DIN0207_L6.3mm_D2.5mm_P10.16mm_Horizontal]  372.22 379.3 0 top
R24  R  [R_Axial_DIN0207_L6.3mm_D2.5mm_P10.16mm_Horizontal]  396.3 379.3 180 top
R24#2  R  [R_Axial_DIN0207_L6.3mm_D2.5mm_P10.16mm_Horizontal]  404.3 703.3 180 top
R25  5.1k  [R_1206_3216Metric]  387.6 389.8 0 top
R25#2  5.1k  [R_1206_3216Metric]  395.6 713.8 0 top
R27  2R  [R_1206_3216Metric]  102.88 688.5 270 top
R27#2  2R  [R_1206_3216Metric]  94.88 364.5 270 top
R28  10k  [R_1206_3216Metric]  122.68 707.8 180 top
R28#2  10k  [R_1206_3216Metric]  114.68 383.8 180 top
R29  0.5R  [R_1206_3216Metric]  113.98 701.2 0 top
R29#2  0.5R  [R_1206_3216Metric]  105.98 377.2 0 top
R30  R  [R_Axial_Power_L25.0mm_W9.0mm_P27.94mm]  120.27 719.3 180 top
R30#2  R  [R_Axial_Power_L25.0mm_W9.0mm_P27.94mm]  112.27 395.3 180 top
R31  R  [R_Axial_Power_L25.0mm_W9.0mm_P27.94mm]  130.72 711.48 315 top
R31#2  R  [R_Axial_Power_L25.0mm_W9.0mm_P27.94mm]  122.72 387.48 315 top
R47  220  [R_0805_2012Metric]  353 386.5 270 top
R47#2  220  [R_0805_2012Metric]  361 710.5 270 top
R48  220  [R_0805_2012Metric]  350.3 372.6 90 top
R48#2  220  [R_0805_2012Metric]  358.3 696.6 90 top
R49  220  [R_0805_2012Metric]  348.3 372.6 90 top
R49#2  220  [R_0805_2012Metric]  356.3 696.6 90 top
R50  220  [R_0805_2012Metric]  354.3 696.6 90 top
R50#2  220  [R_0805_2012Metric]  346.3 372.6 90 top
R51  220  [R_0805_2012Metric]  352.3 696.6 90 top
R51#2  220  [R_0805_2012Metric]  344.3 372.6 90 top
R52  220  [R_0805_2012Metric]  350.3 696.6 90 top
R52#2  220  [R_0805_2012Metric]  342.3 372.6 90 top
R53  220  [R_0805_2012Metric]  340.3 372.6 90 top
R53#2  220  [R_0805_2012Metric]  348.3 696.6 90 top
R54  220  [R_0805_2012Metric]  338.3 372.6 90 top
R54#2  220  [R_0805_2012Metric]  346.3 696.6 90 top
R55  R  [R_Axial_DIN0207_L6.3mm_D2.5mm_P10.16mm_Horizontal]  355.22 706.5 0 top
R55#2  R  [R_Axial_DIN0207_L6.3mm_D2.5mm_P10.16mm_Horizontal]  347.22 382.5 0 top
R56  R  [R_Axial_DIN0207_L6.3mm_D2.5mm_P10.16mm_Horizontal]  334.72 382.6 0 top
R56#2  R  [R_Axial_DIN0207_L6.3mm_D2.5mm_P10.16mm_Horizontal]  342.72 706.6 0 top
R57  220  [R_0805_2012Metric]  344.3 696.6 90 top
R57#2  220  [R_0805_2012Metric]  336.3 372.6 90 top
R58  220  [R_0805_2012Metric]  359 710.5 90 top
R58#2  220  [R_0805_2012Metric]  351 386.5 90 top
R59  220  [R_0805_2012Metric]  355 710.5 90 top
R59#2  220  [R_0805_2012Metric]  347 386.5 90 top
R60  220  [R_0805_2012Metric]  353 710.5 90 top
R60#2  220  [R_0805_2012Metric]  345 386.5 90 top
R61  220  [R_0805_2012Metric]  343 386.5 90 top
R61#2  220  [R_0805_2012Metric]  351 710.5 90 top
R62  220  [R_0805_2012Metric]  349 710.5 90 top
R62#2  220  [R_0805_2012Metric]  341 386.5 90 top
R63  220  [R_0805_2012Metric]  337 386.5 90 top